# KiCad board PC110.kicad_pcb (continued)
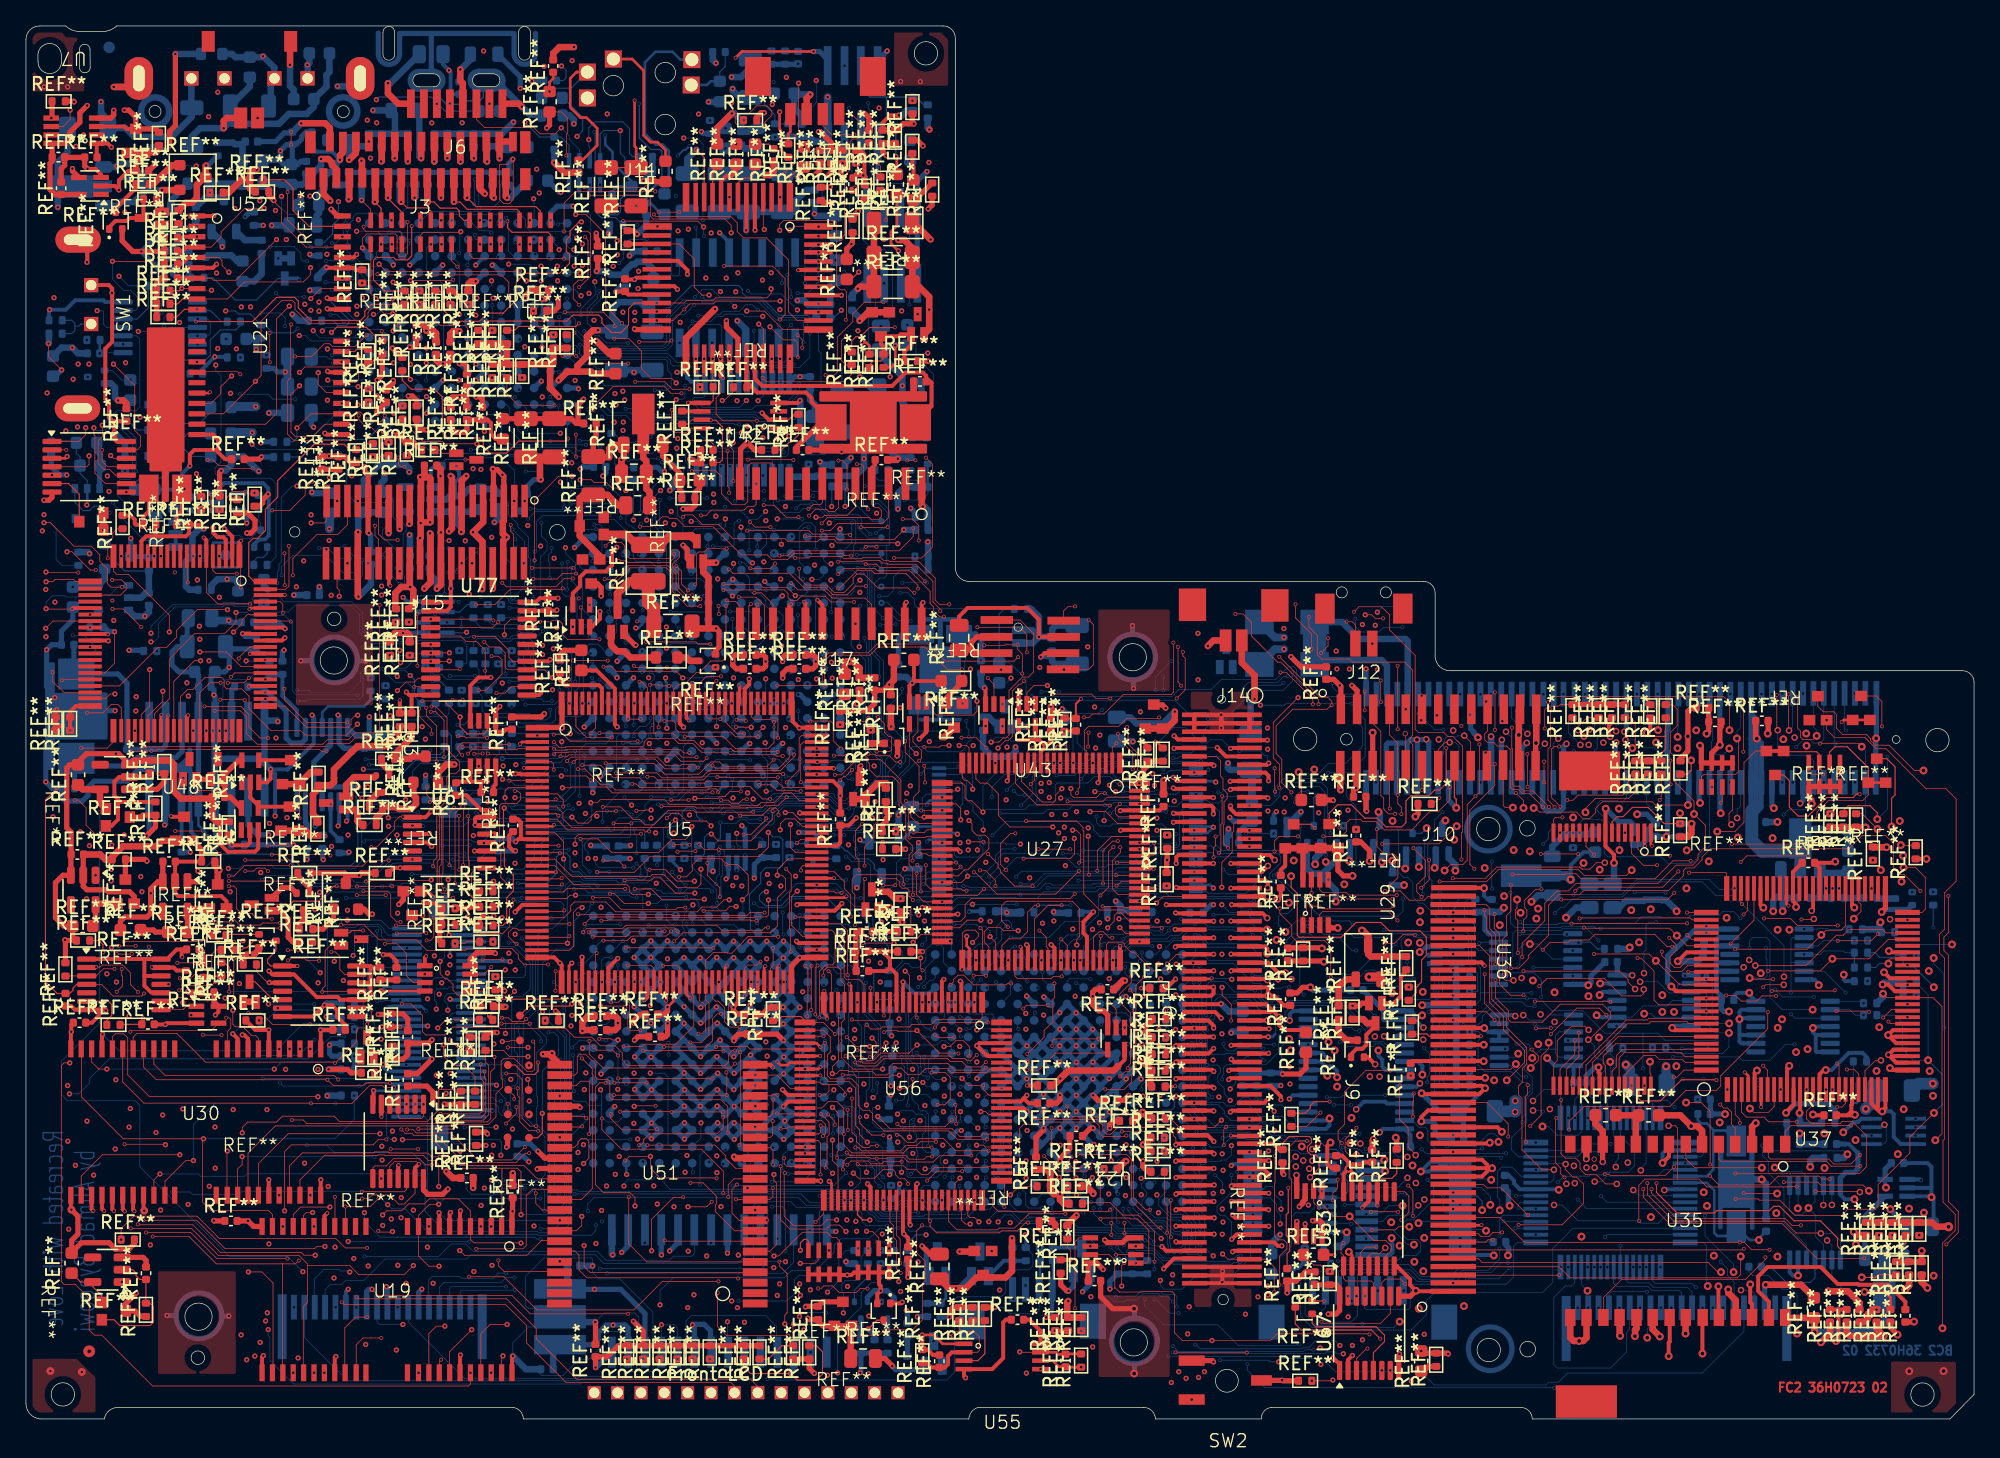
[diagram p0: board, top side]
## Routing (per net, layer and track width the routed paths; a pad name or vN(x,y) marks a point on that pad's centre or on a via; arc(x,y) is an arc through that point) (continued)
SA1: length 284
  FC2 w0.05: U51.13 54.54,18.5 54.09,18.05 v2(54.09,17.11) ; v2(67.12,22.73) 67.33,22.52 70.79,22.52 71.3,23.03 v2(71.3,23.06) ; v2(106.83,23.3) 106.83,24.49 106.89,24.55 v2(106.89,25.08) ; v2(71.51,29.41) 70.2,29.41 v2(70,29.61) ; U27.27 71.64,48.4 v1(71.77,48.53) ; v2(66.37,68.73) 66.35,68.71 v2(64.31,68.71)
  FC2 w0.2: v2(51.16,32.42) 50.86,32.72 U5.56
  FC1 w0.05: v2(69.55,32.11) 69.55,30.74 69.66,30.63 69.66,29.95 v2(70,29.61) ; v2(64.31,68.71) 63.99,69.03 63.99,71.42 61.86,73.55 61.86,80.88 61.04,81.7 v2(61.04,85.3) ; 55.6,17.21 55.6,16.47 54.77,15.64 52.2,15.64 51.62,16.22 51.62,21.24 51.37,21.49 51.37,28.48 51.48,28.59 51.48,32.1 v2(51.16,32.42) ; 55.6,17.21 55.93,17.21 56.17,17.45 56.17,19.05 57.91,20.79 59.03,20.79 59.59,21.35 60.85,21.35 61.32,20.88 63.36,20.88 63.58,20.66 64.05,20.66 64.27,20.88 64.27,22.09 64.63,22.45 66.84,22.45 v2(67.12,22.73) ; 55.6,17.21 54.52,17.21 54.42,17.11 v2(54.09,17.11) ; v5(107.06,18.18) 107.66,18.18 107.96,18.48 107.96,20.48 106.83,21.61 v2(106.83,23.3) ; v2(71.51,29.41) 71.51,25.86 71.17,25.52 71.17,23.72 71.3,23.59 v2(71.3,23.06) 71.4,23.16 72.19,23.16 72.48,22.87 73.61,22.87 73.73,22.75 73.73,20.41 v1(73.21,19.89) ; v2(109.93,32.63) 109.73,32.43 107.18,32.43 106.11,31.36 106.11,25.86 v2(106.89,25.08) ; v2(144.93,30.96) 145.33,30.56 145.33,27.94 143.95,26.56 143.95,21.88 144.18,21.65 v3(144.18,20.41) ; v1(69.58,52.2) 69.58,54.48 67.66,56.4 67.66,60.54 66.37,61.83 v2(66.37,68.73)
  IC1 w0.05: v1(73.21,19.89) 73.32,19.89 73.86,19.35 84.03,19.35 84.16,19.48 90.58,19.48 90.9,19.8 92.37,19.8 92.54,19.97 93.07,19.97 93.4,19.64 93.4,19.09 94.36,18.13 96.99,18.13 97.55,17.57 106.29,17.57 106.9,18.18 v5(107.06,18.18) 107.74,18.18 107.87,18.05 117.27,18.05 118.07,18.85 119.62,18.85 119.71,18.76 129.8,18.76 131.63,16.93 136.37,16.93 136.48,17.04 139.43,17.04 140.68,18.29 141.94,18.29 144.06,20.41 v3(144.18,20.41)
  IC2 w0.05: v1(69.58,52.2) 69.58,49.91 70.96,48.53 v1(71.77,48.53)
  IC4 w0.05: v1(71.77,48.53) 71.77,48.08 72.16,47.69 73.48,47.69 74.69,46.48 74.69,41.52 73.81,40.64 71.82,40.64 71.11,39.93 71.11,35.14 70.19,34.22 70.19,31.25 71.11,30.33 71.11,29.49 71.28,29.32 71.28,23.68 72.44,22.52 72.44,20.66 v1(73.21,19.89)
  BC1 w0.05: v11(63.4,47.04) 63.4,47.78 64.56,48.94 66.53,48.94 67.68,47.79 68.62,47.79 68.92,48.09 v11(68.92,49.71) ; v11(48.69,47.36) 48.69,48.72 v11(48.6,48.81) ; v1(69.58,52.2) 70.51,51.27 70.87,51.27 71.83,50.31 v11(71.83,50.27)
  BC2 w0.05: v11(48.69,47.36) 48.71,47.38 51.9,47.38 52.49,46.79 53.39,46.79 53.72,47.12 55.5,47.12 55.81,46.81 56.75,46.81 57.19,47.25 57.54,47.25 58.11,47.82 61.88,47.82 62.48,47.22 62.79,47.22 62.97,47.04 v11(63.4,47.04) ; v1(73.21,19.89) 73.21,20.31 73.47,20.57 73.84,20.57 ; v11(68.92,49.71) 69.36,50.15 U6.20 71.71,50.15 v11(71.83,50.27)
SA2: length 318.2
  FC2 w0.05: v2(143.46,30.62) 143.62,30.46 144.93,30.46 ; v2(122.05,32.14) 122.02,32.17 v2(116.22,32.17) ; U5.57 51.36,32.61 51.44,32.53 51.44,30.29 50.03,28.88 47.64,28.88 47.47,28.71 v2(46.03,28.71) ; U51.12 56.08,17.79 v2(55.58,17.79) ; v2(53.2,18.54) 53.17,18.58 48.85,18.58 48.1,19.32 v1(48.1,20.23) 46.47,20.23 v2(46.16,19.92) ; 109.93,31.38 112.47,31.38 v2(113.12,30.73)
  FC1 w0.05: v2(61.04,85.95) 61.04,85.8 61.31,85.53 61.31,81.79 62.07,81.03 62.07,73.79 64.17,71.69 64.17,69.25 64.62,68.8 64.62,67.73 64.37,67.48 64.37,66.65 64.96,66.06 64.96,63.29 ; v2(113.12,30.73) 113.71,30.73 113.82,30.62 115.46,30.62 116.22,31.38 v2(116.22,32.17) ; v1(73.73,45.38) 73.73,45.95 73.03,46.65 73.03,47.09 72.64,47.48 71.4,47.48 70.98,47.9 v2(70.57,47.9) 70.57,48.75 69.7,49.62 69.46,49.62 ; 64.96,63.29 64.96,63.27 ; 64.96,63.29 64.96,62.34 64.65,62.03 64.65,54.51 64.59,54.45 64.59,52.76 66.04,51.31 66.04,50.88 67.3,49.62 69.46,49.62 ; v2(122.05,32.14) 122.03,32.12 v3(122.03,27.52) ; v1(48.1,20.23) 48.1,19.06 47.93,18.89 47.93,14.31 48.81,13.43 49.76,13.43 50.21,12.98 50.21,11.85 52.97,9.09 52.97,6.86 54.72,5.11 60.73,5.11 61.74,4.1 v1(61.74,3.37) ; v2(46.03,28.71) 46.03,28.32 46.16,28.19 v2(46.16,19.92) ; v2(143.46,30.62) 143.46,31.48 144.52,32.54 145.63,32.54 145.91,32.26 145.91,27.09 146.19,26.81 v3(146.63,26.81) ; v2(53.2,18.54) 53.28,18.54 54.03,17.79 v2(55.58,17.79) ; 69.46,49.62 69.42,49.62 ; v1(69.24,24.15) 68.63,24.76 68.63,26.1 69.47,26.94 69.47,30.56 69.05,30.98 v2(69.05,32.11)
  IC1 w0.05: v1(48.1,20.23) 48.11,20.23 50.18,22.3 58.8,22.3 59.25,22.75 65.81,22.75 66.12,23.06 66.12,23.79 66.47,24.14 73.66,24.14 76.38,26.86 89.24,26.86 90.54,28.16 93.47,28.16 95.49,26.14 97.06,26.14 97.24,26.32 98.18,26.32 99.09,27.23 101.56,27.23 102.83,25.97 103.37,25.97 103.38,25.96 104.44,25.96 105.39,26.91 105.39,26.94 105.73,27.28 109.57,27.28 110.34,28.05 113.52,28.05 114.09,28.62 115.12,28.62 115.44,28.3 116.7,28.3 116.84,28.44 118.18,28.44 118.31,28.31 121.24,28.31 v3(122.03,27.52) 122.99,26.56 124.93,26.56 126.56,28.19 132.77,28.19 132.81,28.15 133.42,28.15 133.45,28.18 135.42,28.18 136.38,29.14 139.57,29.14 142.31,26.4 144.92,26.4 145.33,26.81 v3(146.63,26.81)
  IC4 w0.05: v1(73.73,45.38) 74.48,44.63 74.48,41.74 73.61,40.87 71.58,40.87 70.91,40.2 70.91,35.28 70.02,34.39 70.02,30.03 71.13,28.92 71.13,24.67 70.61,24.15 v1(69.24,24.15)
  BC1 w0.05: v11(70.77,18.65) 68.92,18.65 68.36,19.21 68.05,19.21 67.85,19.01 67.85,18.06 68,17.91 68,17.43 67.82,17.25 66.29,17.25 66.24,17.3 65.81,17.3 65.65,17.14 65.65,16.14 66.01,15.78 66.01,14.74 66.37,14.38 66.37,12.87 65.96,12.46 65.42,12.46 64.34,11.38 64.34,5.16 65.35,4.15 65.35,3.29 65.01,2.95 62.16,2.95 v1(61.74,3.37)
  BC2 w0.05: 71.3,19.27 71.3,19.28 71.3,19.28 70.77,18.75 v11(70.77,18.65) ; v1(73.73,45.38) 73.73,46.04 72.94,46.83 72.94,47.29 72.44,47.79 72.44,49.24 72.03,49.65 U6.19 ; v3(122.03,27.52) 122.03,26.05 121.3,25.32 U31.7
SA3: length 144.4
  FC2 w0.05: v2(68.29,26.2) 68.29,25.85 67.92,25.48 v1(67.27,25.48) ; U5.58 51.86,32.26 52.02,32.1 52.13,32.1 52.35,31.88 52.35,29.98 52.05,29.68 v2(51.8,29.68) ; v2(68.63,47.41) 68.64,47.4 71.65,47.4 72,47.05 v1(72,46.17) ; v2(54.69,16.92) 54.71,16.9 U51.11 57.29,16.9 57.53,17.14 v2(57.53,17.8) ; v2(68.63,30.93) 68.55,31.01 U56.11 ; v2(62.58,73.86) 62.91,73.86 63.24,73.53 v2(63.24,71.62) ; v2(63.26,19.59) 63.55,19.88 64.87,19.88 65.09,19.66 65.91,19.66 66.08,19.83 v2(67.45,19.83)
  FC1 w0.05: v2(68.29,26.2) 68.83,26.74 68.83,27.77 68.18,28.42 68.18,30.48 v2(68.63,30.93) ; v2(54.69,16.92) 54.69,16.45 54.21,15.97 52.37,15.97 51.85,16.49 51.85,21.73 51.56,22.02 51.56,28.22 51.8,28.46 v2(51.8,29.68) ; v1(68.05,21.72) 68.05,21 67.45,20.4 v2(67.45,19.83) ; v2(68.63,47.41) 68.63,48.99 68.39,49.23 67.04,49.23 66.5,48.69 65.41,48.69 63.9,50.2 63.9,51.19 64.4,51.69 64.4,54.57 64.53,54.7 64.53,58.35 63.3,59.58 63.3,66.95 63.8,67.45 63.8,71.06 v2(63.24,71.62) ; v2(61.04,87.25) 61.04,87.02 61.48,86.58 61.48,81.95 62.25,81.18 62.25,74.19 v2(62.58,73.86) ; v2(63.26,19.59) 62.87,19.59 62.65,19.37 62.65,18.46 62.58,18.39 62.58,18.35 62.03,17.8 v2(57.53,17.8)
  IC2 w0.05: v1(67.27,25.48) 67.28,25.47 69.55,25.47 69.73,25.65 73.57,25.65 74.91,26.99 74.91,38.68 71.31,42.28 71.31,45.45 72,46.14 v1(72,46.17)
  BC1 w0.05: v1(68.05,21.72) 73.48,21.72 v11(73.84,21.36) ; v1(67.27,25.48) 67.28,25.47 68.74,25.47 68.96,25.25 68.96,24.88 68.35,24.27 v11(68.35,23.07)
  BC2 w0.05: v11(73.84,21.36) 73.84,21.84 ; U6.18 71.94,49.15 72.15,48.94 72.15,48.9 72.16,48.89 72.16,47.4 72.01,47.25 72.01,47.17 72,47.16 v1(72,46.17) ; v11(68.35,23.07) 68.15,23.07 68.05,22.97 v1(68.05,21.72)
SA4: length 176.8
  FC2 w0.05: v2(51.17,29.01) 52.03,29.01 52.61,29.59 52.61,32.04 52.36,32.29 U5.59 52.36,35.35 52.95,35.94 54.02,35.94 54.05,35.9 54.37,35.9 55.28,36.81 55.28,36.84 55.62,37.19 57.92,37.19 v2(57.94,37.16) ; v2(64,73.58) 64.34,73.58 64.5,73.42 64.5,70.48 v2(64.88,70.1) ; U56.12 68.05,34.18 v1(67.72,34.51) ; v2(68.96,46.89) 68.97,46.9 v2(70.57,46.9) ; v2(65.52,51.43) 66.53,51.43 66.66,51.56 66.66,52.53 66.58,52.61 66.43,52.61 66.13,52.91 66.13,53.57 v2(65.61,54.09) ; v2(62.63,36.78) 62.63,35.71 v2(62.64,35.7)
  FC1 w0.05: v2(65.52,51.43) 65.52,51.06 67.13,49.45 68.52,49.45 68.96,49.01 v2(68.96,46.89) ; v2(51.17,29.01) 51.17,20.9 51.43,20.64 51.43,15.92 52.01,15.34 56.29,15.34 ; v2(56.17,16.1) 56.31,15.96 56.31,15.36 56.29,15.34 ; 56.29,15.34 56.29,13.37 55.55,12.63 v1(54.87,12.63) ; v2(64,73.58) 64,74.93 62.46,76.47 62.46,81.27 61.67,82.06 61.67,87.8 61.57,87.9 v2(61.04,87.9) ; v2(57.94,37.16) 58.18,37.16 58.26,37.24 62.17,37.24 v2(62.63,36.78) ; v2(64.88,70.1) 64.88,69.68 65.23,69.33 65.23,66.68 65.33,66.58 65.33,61.82 65.02,61.51 65.02,54.68 v2(65.61,54.09) ; v2(70.57,46.9) 71.68,46.9 71.85,46.73 v1(72.46,46.73) ; v2(62.64,35.7) 65.57,35.7 65.66,35.61 66.62,35.61 v1(67.72,34.51)
  IC2 w0.05: v1(72.46,46.73) 71.66,46.73 71.11,46.18 71.11,45.17 71.12,45.16 71.12,41.64 72.76,40 73.16,40 74.69,38.47 74.69,29.03 73.76,28.1 68,28.1 67.69,28.41 67.69,29.93 68.03,30.27 68.03,30.28 68.43,30.68 68.43,33.8 v1(67.72,34.51)
  BC1 w0.05: v11(54.88,9.09) 54.87,9.1 v1(54.87,12.63) ; v1(72.46,46.73) 71.74,47.45 v11(71.31,47.45) ; v11(67.22,14.71) 67.97,15.46 68.87,15.46 69.79,16.38 73.9,16.38 74.43,16.91 74.43,18.61 74.74,18.92 75.94,18.92 76.13,19.11 76.13,21.26 v11(75.75,21.64)
  BC2 w0.05: v11(71.31,47.45) 71.31,48.45 71.11,48.65 U6.17 ; v11(75.75,21.64) 75.8,21.69 75.8,23.69 75.11,24.38 ; v11(54.88,9.09) 58.61,9.09 59.18,9.66 59.18,10.71 59.53,11.06 60.45,11.06 62.25,12.86 62.25,13.39 62.74,13.88 64.93,13.88 65.71,14.66 66.14,14.66 66.21,14.59 66.76,14.59 66.88,14.71 v11(67.22,14.71)
SA5: length 348.6
  FC2 w0.05: v1(59.51,102.94) 59.5,102.93 59.5,99.14 59.24,98.88 59.24,96.82 v2(58.41,95.99) ; v1(69.19,46.38) 68.78,46.38 68.36,46.8 68.36,47.91 68.79,48.34 68.79,50.3 67.72,51.37 v2(67.72,52.23) ; v2(54.95,21.1) 55.02,21.17 v2(55.02,28.27) ; v2(54.98,30.2) 54.23,30.2 53.81,30.62 53.81,31.71 53.32,32.2 53.11,32.2 52.86,32.45 U5.60 ; U56.15 66.55,30.91 66.33,30.69 63.7,30.69 v2(63.61,30.78) ; v2(64.68,67.21) 65.5,67.21 v2(65.51,67.2) ; v2(57.09,15.32) 56.19,15.32 U51.9 54.94,15.3 54.38,15.86 54.38,17.68 v2(54.76,18.06)
  FC2 w0.3: v2(59.48,88.53) 59.5,88.55 v2(61.04,88.55) ; v1(69.19,46.38) 69.21,46.4 U27.31
  FC1 w0.05: v2(54.95,21.1) 54.95,18.25 v2(54.76,18.06) ; v2(61.04,88.55) 61.68,88.55 61.84,88.39 61.84,82.19 62.63,81.4 62.63,77.03 65.04,74.62 65.04,71.44 64.35,70.75 64.35,69.48 64.81,69.02 64.81,67.6 64.68,67.47 v2(64.68,67.21) ; v2(65.51,67.2) 65.51,61.69 65.19,61.37 65.19,55.04 66.04,54.19 66.04,53 66.38,52.66 67.29,52.66 v2(67.72,52.23) ; v2(58.41,95.99) 58.41,94.75 59.48,93.68 v2(59.48,88.53) ; v1(57.6,11.66) 58.67,11.66 59.05,12.04 59.05,13.36 v2(57.09,15.32) ; v2(63.61,30.78) 62.32,32.07 60.54,32.07 60.16,31.69 60.16,31.57 59.82,31.23 59.02,31.23 58.67,30.88 55.02,30.88 54.77,30.63 54.77,30.41 v2(54.98,30.2) 54.98,29.9 55.34,29.54 55.34,28.59 v2(55.02,28.27)
  IC1 w0.05: v1(6.87,20.8) 6.87,15.11 10.05,11.93 20.06,11.93 22.53,14.4 27.54,14.4 28.2,13.74 36.63,13.74 37.64,12.73 43.76,12.73 44.84,13.81 49.62,13.81 50.87,12.56 51.5,12.56 52.2,13.26 55.48,13.26 57.08,11.66 v1(57.6,11.66)
  IC3 w0.05: v1(14.77,102.24) 14.83,102.3 20.72,102.3 24.8,98.22 43.84,98.22 47.44,101.82 52.11,101.82 52.38,102.09 58.66,102.09 v1(59.51,102.94)
  BC1 w0.05: v11(63.59,20.28) 63.71,20.16 64.59,20.16 64.75,20.32 64.75,20.77 64.36,21.16 64.36,21.66 v11(64.86,22.16) ; v11(62.03,20.33) 61.18,19.48 61.18,18.94 60.23,17.99 60.23,15.73 60.85,15.11 60.85,9.59 60.31,9.05 59,9.05 58.52,9.53 58.52,10.75 58.33,10.94 58.32,10.94 v1(57.6,11.66) ; v1(14.77,102.24) 14.78,102.23 14.78,98.74 10.85,94.81 10.85,94.55 10.56,94.26 10.32,94.26 5.94,89.88 5.94,82.65 6.17,82.42 6.17,81.28 6.31,81.14 6.31,75.87 5.48,75.04 4.46,75.04 3.59,74.17 3.59,73.7 3.05,73.16 2.93,73.16 2.69,72.92 2.69,72.79 2.41,72.51 2.41,63.76 4.01,62.16 4.01,47.31 1.71,45.01 1.71,23.97 4.88,20.8 v1(6.87,20.8)
  BC2 w0.05: v11(62.03,20.33) 63.54,20.33 v11(63.59,20.28) ; v11(64.86,22.16) 66.82,22.16 67.09,21.89 67.13,21.89 67.18,21.84 67.42,21.84 67.63,21.63 67.63,21.03 67.86,20.8 67.86,18.72 67.97,18.61 70.18,18.61 70.65,19.08 70.65,19.52 70.42,19.75 70.42,20.12 70.85,20.55 71.3,20.55 ; U6.16 69.35,48.15 69.07,47.87 69.07,47.03 69.19,46.91 v1(69.19,46.38)
SA6: length 150.2
  FC2 w0.05: v2(66.1,29.81) 66.21,29.81 66.32,29.92 67.09,29.92 67.13,29.88 68.58,29.88 v1(68.63,29.93) 70.37,28.19 71.79,28.19 v2(71.82,28.16) ; v2(51.18,18.2) 52.15,18.2 53.2,17.16 53.2,16.58 53.1,16.49 53.1,15.98 54.58,14.5 U51.8 ; U56.16 66.08,32.08 v2(66.08,31.09) ; v2(67.77,47.62) 68.16,47.23 68.16,46.4 68.66,45.9 U27.32 ; v2(64.89,54.02) 64.61,53.74 v2(63.35,53.74) ; v2(71.59,24.21) 71.59,23.4 71.66,23.33 v2(71.66,22.75)
  FC1 w0.05: v2(63.35,53.74) 63.35,53.28 63.16,53.09 63.16,51.59 63.68,51.07 63.68,50.6 63.38,50.3 63.38,49.88 64.85,48.41 64.85,48.18 65.4,47.63 v1(65.4,47.58) 65.44,47.62 v2(67.77,47.62) ; v2(71.82,28.16) 71.82,27.38 71.73,27.29 71.73,25.73 71.36,25.36 71.36,24.44 v2(71.59,24.21) ; v2(64.89,54.02) 64.82,54.09 64.82,59.84 ; v2(61.04,89.2) 61.86,89.2 62.04,89.02 62.04,82.32 62.82,81.54 62.82,77.44 65.32,74.94 65.32,71.24 64.5,70.42 64.5,69.68 65.03,69.15 65.03,67.39 65.05,67.37 65.05,67.05 65.03,67.03 65.03,66.47 65.18,66.32 65.18,62.06 64.82,61.7 64.82,59.84 ; v2(66.1,29.81) 66.1,31.07 v2(66.08,31.09) ; 64.82,59.81 64.82,59.84 ; v2(71.66,22.75) 71.66,21.81 71.82,21.65 v1(71.82,21.09) ; v2(53.36,33.67) 53.85,33.18 55.31,33.18 55.35,33.23 55.67,33.23 55.97,32.92 v1(59.83,32.92) ; v1(50.91,20.3) 50.91,19.77 51.24,19.44 51.24,18.74 51.16,18.66 51.16,18.22 v2(51.18,18.2)
  IC1 w0.05: 50.91,20.37 v1(50.91,20.3) 51.41,20.8 62.04,20.8 62.54,21.3 62.54,21.93 63.07,22.46 67.52,22.46 68.53,23.47 69.44,23.47 v1(71.82,21.09) ; v1(68.63,29.93) 68.63,31.33 66.99,32.97 59.88,32.97 v1(59.83,32.92)
  IC4 w0.05: v1(68.63,29.93) 68.63,30.94 68.49,31.08 68.49,31.09 68.15,31.43 68.15,35.72 67.61,36.26 67.61,36.83 67.32,37.12 65.77,37.12 65.36,37.53 65.36,42.13 64.98,42.51 64.98,44.7 64.48,45.2 64.07,45.2 63.46,45.81 63.46,46.94 64.1,47.58 v1(65.4,47.58)
  BC1 w0.05: v1(65.4,47.58) 65.77,47.58 66.09,47.9 67.21,47.9 67.58,47.53 68.66,47.53 68.89,47.3 v11(69.39,47.3)
  BC2 w0.05: 72.57,21.81 72.58,21.82 U25.E3 72.55,21.82 v1(71.82,21.09)
  BC2 w0.2: U6.15 69.59,47.65 69.39,47.45 v11(69.39,47.3)
SA7: length 191.6
  FC2 w0.05: v2(64.36,6.42) 65.66,6.42 66.11,6.87 68.29,6.87 69.04,7.62 69.04,10.45 69.25,10.66 69.25,12.16 68.61,12.8 68.61,14.5 v2(69.03,14.92) ; U51.7 49.26,13.7 v2(49.2,13.76) ; v2(69.42,18.37) 70.14,19.09 v2(72.12,19.09) ; v2(71.99,42.56) 71.78,42.35 U27.39 ; v2(53.55,31.22) 53.25,31.22 52.88,30.85 52.88,29.55 52.89,29.53 52.89,29.15 52.41,28.67 v2(49.14,28.67) ; v2(53.27,9.72) 53.27,7.12 53.97,6.42 v2(58.71,6.42) ; v2(68.77,67.7) 68.77,68.85 68.27,69.35 v2(67.54,69.35)
  FC2 w0.2: v2(53.98,34.94) 53.86,34.82 U5.62
  FC1 w0.05: v2(67.54,69.35) 67.54,70.61 68.18,71.25 68.18,74.81 65.94,77.05 63.79,77.05 63,77.84 63,81.59 62.25,82.34 62.25,89.73 62.08,89.9 v2(61.04,89.9) ; v2(68.77,67.7) 68.77,66.17 68.1,65.5 68.1,63.37 68.26,63.21 68.26,62.68 68.28,62.68 70.09,60.87 71,60.87 71.45,60.42 71.45,57.01 72.82,55.64 72.82,54.63 72.52,54.33 72.52,50.85 74.79,48.58 74.79,42.88 73.35,41.44 72.29,41.44 71.99,41.74 v2(71.99,42.56) 71.99,43.01 71.53,43.47 71.53,43.99 v1(71.94,44.4) ; v2(49.14,28.67) 49.14,24.87 48.87,24.6 48.87,23.08 49.2,22.75 v2(49.2,13.76) 50.01,13.76 50.52,13.25 50.52,12.12 52.92,9.72 v2(53.27,9.72) ; v2(69.03,14.92) 69.7,14.92 69.94,15.16 69.94,15.33 69.73,15.54 69.38,15.54 68.7,16.22 68.7,17.21 69.42,17.93 v2(69.42,18.37) ; v2(72.12,19.09) 72.13,19.1 72.13,19.44 72.39,19.7 72.39,19.96 72.28,20.07 72.28,21.6 72.26,21.62 72.26,21.67 72.05,21.88 v1(72.05,22.23) ; v2(53.55,31.22) 53.74,31.41 53.74,31.82 52.96,32.6 52.96,34.22 53.68,34.94 v2(53.98,34.94) 55.03,34.94 56.13,33.84 56.13,33.51 56.32,33.32 56.9,33.32 57.9,34.32 58.49,34.32 58.87,33.94 60.71,33.94 60.98,33.67 62.64,33.67 63.15,33.16 64.13,33.16 65.18,32.11 v2(65.55,32.11) ; v2(64.36,6.42) v2(58.71,6.42)
  IC4 w0.05: v1(72.05,22.23) 70.75,22.23 69.44,23.54 68.98,23.54 68.78,23.74 68.78,24.74 69.6,25.56 69.6,34.79 70.03,35.22 70.03,36.22 68.11,38.14 68.11,39.78 70.03,41.7 70.03,43.63 70.8,44.4 v1(71.94,44.4)
  BC1 w0.05: v11(71.3,47.06) 71.3,44.59 71.49,44.4 v1(71.94,44.4)
  BC2 w0.2: v11(71.3,47.06) 71.21,47.15 U6.14
  BC2 w0.3: 71.3,21.82 71.72,22.23 v1(72.05,22.23)
SA8: length 145.9
  FC2 w0.05: v2(65.05,33.23) U56.18 ; v2(68.51,73.88) 68.5,73.87 v2(67.88,73.87) ; U5.63 54.36,32.23 54.1,31.97 54.1,30.93 54.5,30.53 v2(55.31,30.53) ; U27.40 71.82,41.85 72.29,42.32 72.54,42.32 74.17,43.95 74.17,44.71 74.16,44.71 73.88,44.99 73.22,44.99 72.87,45.34 72.87,45.88 v1(72.63,46.12) ; v2(69.25,49.05) 69.24,49.06 69.24,49.68 69.19,49.73 v2(69.19,50.33) ; v1(57.61,18.84) 57.61,18.38 57.82,18.17 57.82,13.45 57.27,12.9 U51.6
  FC1 w0.05: v2(55.31,30.53) 55.31,30.27 56.52,29.06 v1(56.99,29.06) ; v2(69.19,50.33) 69.19,51.31 68.81,51.69 68.37,51.69 68.16,51.9 68.16,52.32 67.61,52.87 66.48,52.87 66.24,53.11 66.24,54.37 65.4,55.21 65.4,61.15 65.73,61.48 65.73,66.72 65.9,66.89 65.9,71.21 67.88,73.19 v2(67.88,73.87) ; v2(61.04,90.5) 62.04,90.5 62.43,90.11 62.43,87.59 63.16,86.86 63.16,86.48 62.44,85.76 62.44,82.47 63.21,81.7 63.21,78.53 64.14,77.6 66.34,77.6 68.51,75.43 v2(68.51,73.88) ; v1(72.63,46.12) 72.22,45.71 71.79,45.71 71.17,46.33 70.35,46.33 69.25,47.43 v2(69.25,49.05) ; v2(65.05,33.23) 68.12,33.23 68.82,33.93 68.82,33.99 v1(68.83,34)
  IC1 w0.05: v1(56.99,29.06) 56.99,31.88 58.59,33.48 60.31,33.48 60.56,33.23 68.06,33.23 v1(68.83,34)
  IC4 w0.05: v1(68.83,34) 69.39,34.56 69.39,36.39 67.96,37.82 67.96,40.09 69.82,41.95 69.82,44.74 70.63,45.55 72.4,45.55 72.63,45.78 v1(72.63,46.12) ; v1(57.61,18.84) 57.61,19.2 57.54,19.27 57.55,19.28 57.55,24.35 57.63,24.43 57.63,28.42 v1(56.99,29.06)
  BC1 w0.05: v1(68.83,34) 68.44,33.61 68.44,32.62 68.81,32.25 68.81,31.34 68.13,30.66 68.13,28.69 v11(68.6,28.22) ; v11(69.46,26.29) 69.65,26.1 69.65,24.84 70.07,24.42 v11(70.07,23.7) ; v11(73.49,44.78) 73.12,44.78 72.63,45.27 v1(72.63,46.12)
  BC2 w0.05: v11(73.49,44.78) 73.49,44.21 73.71,43.99 73.71,43.66 73.35,43.3 71.67,43.3 71.51,43.46 71.51,43.87 71.23,44.15 U6.8 ; v11(68.6,28.22) 68.89,27.93 68.89,27.19 68.95,27.13 68.95,26.57 69.08,26.44 69.28,26.44 69.43,26.29 v11(69.46,26.29) ; v11(70.07,23.7) 70.07,23.13 U25.F1
SA9: length 123.1
  FC2 w0.05: v2(56.58,35.24) 56.32,34.98 55.6,34.98 55.36,34.74 U5.65 ; v2(67.59,41.2) 67.59,41.68 67.33,41.94 63.97,41.94 63.64,41.61 63.64,40.62 63.84,40.42 v2(63.84,38.07) ; U56.19 64.55,33.48 64.16,33.87 63.21,33.87 63.02,34.06 63.02,37.39 v2(62.94,37.47) ; v2(70.57,41.35) 72.06,41.35 v1(72.53,41.82)
  FC1 w0.05: v2(67.59,41.2) 68.23,41.2 68.38,41.35 v2(70.57,41.35) ; v2(61.04,91.15) 61.75,91.15 62.63,90.27 62.63,87.79 63.36,87.06 63.36,85.53 62.85,85.02 62.85,82.44 63.45,81.84 63.45,79.01 64.29,78.17 64.73,78.17 ; 64.73,78.17 64.8,78.17 ; 64.73,78.17 66.95,78.17 68.78,76.34 68.78,70.93 68.47,70.62 68.47,69.82 68.01,69.36 68.01,66.12 67.13,65.24 67.13,62.56 69.23,60.46 70.57,60.46 71.1,59.93 71.1,55.94 71.48,55.56 71.48,54.74 71.77,54.45 72.04,54.45 72.34,54.15 72.34,50.63 74.62,48.35 74.62,43.07 73.37,41.82 v1(72.53,41.82) ; v2(56.58,35.24) 56.58,36.97 57.12,37.51 62.9,37.51 v2(62.94,37.47) 63.24,37.47 v2(63.84,38.07)
  BC1 w0.05: v11(75.56,24.95) 75.53,24.98 75.53,37.36 75.85,37.68 75.85,38.39 76.18,38.72 76.18,39.39 75.98,39.59 75.98,41.95 76.41,42.38 76.41,43.75 76.23,43.93 v11(76.16,43.93)
  BC2 w0.05: v11(75.56,24.95) 75.55,24.96 73.98,24.96 73.84,24.82 73.84,24.38 ; U6.7 71.11,43.65 71.29,43.47 71.29,43.28 72.53,42.04 v1(72.53,41.82) 73.63,41.82 74.68,42.87 74.68,43.41 75.2,43.93 v11(76.16,43.93)
SA10: length 113.4
  FC2 w0.05: v2(62.93,19.23) 62.93,19.81 63.28,20.16 64.97,20.16 65.07,20.06 v2(65.53,20.06) 66.25,20.06 66.36,20.17 67.59,20.17 67.96,19.8 69.88,19.8 70.39,20.31 v2(72.81,20.31) ; v2(54.86,10.83) 54.81,10.88 43.2,10.88 42.6,11.48 42.6,12.62 42.27,12.95 41.12,12.95 ; v2(65.54,21.05) 65.08,21.05 64.94,20.91 64.43,20.91 63.97,21.37 63.97,21.74 63.62,22.09 v2(63.62,24.69)
  FC1 w0.05: v2(63.62,24.69) 63.91,24.98 63.91,24.99 64.01,25.09 64.01,26.59 64.61,27.19 64.61,29.73 64.73,29.85 65,29.85 65.2,30.05 65.2,30.96 v2(64.05,32.11) 63.68,32.11 62.3,33.49 60.84,33.49 60.59,33.74 58.87,33.74 58.52,34.09 58.06,34.09 57.13,33.16 56.15,33.16 55.86,33.45 v2(55.86,33.67) ; v2(62.93,19.23) 62.93,18.06 61.17,16.3 61.17,12.09 60.03,10.95 54.98,10.95 v2(54.86,10.83) ; v2(65.53,20.06) 65.54,20.07 v2(65.54,21.05) ; v2(72.81,20.31) 72.81,21.91 v1(73.32,22.42)
  IC4 w0.05: v1(73.32,22.42) 73.32,22.47 72.82,22.97 72.82,26.76 72.52,27.06 72.52,31.36 75.72,34.56 76.41,34.56 77.71,35.86 77.71,39.13 78.47,39.89 78.47,46.92 78.77,47.22 79.07,47.22 v1(79.7,47.85)
  BC1 w0.05: v11(87.11,47.74) 86.61,47.24 86.61,45.04 88.41,43.24 89.54,43.24 v11(90.13,42.65)
  BC2 w0.05: 72.57,23.11 73.26,22.42 v1(73.32,22.42) ; v11(87.11,47.74) 86.38,47.74 86.33,47.69 80.63,47.69 80.47,47.85 v1(79.7,47.85)
SA11: length 120
  FC2 w0.05: v1(33.41,12.98) 33.79,12.6 38.57,12.6 39.72,13.75 41.12,13.75
  FC2 w0.2: U56.21 63.55,33.38 v2(63.41,33.52)
  FC1 w0.05: 62.75,34.18 62.75,34.42 63.05,34.72 64.96,34.72 65.38,35.14 v1(65.81,35.14) ; 62.75,34.18 62.75,33.86 63.09,33.52 v2(63.41,33.52) ; 62.75,34.18 61.92,34.18 61.62,33.88 61.07,33.88 60.83,34.12 59.05,34.12 58.69,34.48 57.17,34.48 v2(56.36,33.67)
  IC1 w0.05: v1(65.81,35.14) 65.81,34.67 64.99,33.85 35.26,33.85 34.11,35 v1(32.65,35)
  IC4 w0.05: v1(32.65,35) 33.35,35 33.78,34.57 33.78,17.65 34.46,16.97 34.46,14.03 v1(33.41,12.98)
  BC1 w0.05: v11(70.71,24.31) 70.51,24.31 69.97,24.85 69.97,26.31 69.57,26.71 69.57,27.02 69.23,27.36 65.96,27.36 65.62,27.7 65.62,28.39 65.82,28.59 65.82,29.26 66.23,29.67 66.23,34.72 v1(65.81,35.14) 65.08,35.87 65.08,39.13 65.24,39.29 65.24,41.19 65.45,41.4 66.68,41.4 67.17,41.89 68.03,41.89 68.29,42.15 69.81,42.15 70.33,42.67 v11(70.33,43.15) 70.37,43.19 70.37,48.22 72.3,50.15 72.3,52.24 v11(72.62,52.56)
  BC2 w0.05: v11(70.71,24.31) 70.76,24.36 71.3,24.36 71.3,24.36 71.3,24.35 ; v11(72.62,52.56) 72.62,53.11 72.43,53.3 v11(72.43,53.8)
SA12: length 121.7
  FC2 w0.05: v2(79.04,28.74) 79.04,29.12 79.21,29.29 v2(82.61,29.29) ; v1(42.81,15.61) 42.81,14.91 42.4,14.5 U51.41 ; v1(65.99,26.96) 63.69,26.96 62.8,27.85 62.8,30.55 63.05,30.8 63.05,33.49 62.77,33.77 62.77,34.62 62.57,34.82 61.72,34.82 61.42,34.52 v2(61.42,34.17) ; v2(56.27,38.39) 55.87,38.39 55.81,38.45 44.81,38.45 44.76,38.4 v2(44.32,38.4) ; v2(40.8,34.5) 40.78,34.48 v2(40.78,33) ; v2(78.99,21.18) 79,21.19 v2(79,22.41)
  FC2 w0.2: v2(56.94,34.9) 56.86,34.82 U5.68
  FC1 w0.05: v2(79.04,28.74) 79.04,23.58 78.99,23.53 78.99,22.42 v2(79,22.41) ; v2(40.78,33) 40.78,32.23 40.96,32.05 41.51,32.05 41.87,32.41 42.31,32.41 v1(42.71,32.01) ; v2(61.42,34.17) 61.12,34.17 61.01,34.28 59.28,34.28 58.93,34.63 57.21,34.63 v2(56.94,34.9) 56.47,34.9 56.22,35.15 56.22,38.34 v2(56.27,38.39) ; v2(44.32,38.4) 44.32,38.03 44.14,37.85 44.14,36.45 44.27,36.32 44.27,35.32 43.45,34.5 v2(40.8,34.5) ; v2(78.99,21.18) 75.8,21.18 73.85,23.13 72.89,23.13 72.58,23.44 72.58,24.38 v1(71.94,25.02) ; v2(82.61,29.29) 83.75,29.29 v2(84.62,30.16)
  IC3 w0.05: v1(71.94,25.02) 71.28,25.02 69.75,26.55 67.98,26.55 67.6,26.93 66.02,26.93 v1(65.99,26.96)
  IC4 w0.05: v1(42.71,32.01) 42.35,32.37 42.32,32.37 42.24,32.45 41.68,32.45 41.52,32.29 41.52,30.91 41.24,30.63 41.24,28.71 41.5,28.45 41.5,16.25 42.14,15.61 v1(42.81,15.61)
  BC1 w0.05: v11(71.32,41.95) 68.72,41.95 67.54,40.77 67.54,39.16 67.04,38.66 67.04,38.01 67.52,37.53 67.52,36.22 67.71,36.03 67.71,35.39 68.22,34.88 68.22,33.23 67.28,32.29 67.05,32.29 66.66,31.9 66.66,30.66 67.66,29.66 67.66,28.47 67.06,27.87 v11(66.12,27.87)
  BC2 w0.05: v1(71.94,25.02) 71.94,25.01 72.57,24.38 ; U6.5 71.18,42.65 71.32,42.51 v11(71.32,41.95) ; v1(65.99,26.96) 65.99,27.28 66.1,27.39 66.1,27.85 v11(66.12,27.87)
SA13: length 61.9
  FC2 w0.05: U5.69 57.36,34.75 57.55,34.94 v2(57.55,36.3) ; v2(67.65,37.03) 67.25,37.03 67.23,37.05 65.25,37.05 65.22,37.02 v2(64.8,37.02) ; v2(75.88,33.56) 75.61,33.56 75.5,33.45 72.99,33.45 72.24,34.2 71.78,34.2 71.44,33.86 71.44,33.69 v2(71.21,33.46) ; v2(83.41,32.13) 83.97,31.57 REF**#263.2
  FC1 w0.05: v2(83.41,32.13) 79.53,32.13 78.1,33.56 v2(75.88,33.56) ; v2(64.8,37.02) 64.8,36.46 64.54,36.2 63.02,36.2 62.75,36.47 60.27,36.47 60.1,36.3 v2(57.55,36.3) ; v1(68.76,38.84) 67.65,37.73 v2(67.65,37.03) 67.65,35.71 68.27,35.09 69.34,35.09 69.94,34.49 69.94,34.14 70.62,33.46 v2(71.21,33.46)
  BC1 w0.05: v1(68.76,38.84) 68.33,39.27 68.33,40.99 68.57,41.23 v11(69.12,41.23) ; v11(71.35,25.79) 71.35,27.17 69.74,28.78 69.74,29.6 69.38,29.96 69.38,30.32 69.48,30.42 69.48,34.32 68.94,34.86 68.56,34.86 67.92,35.5 67.92,36.11 67.7,36.33 67.7,37.79 67.94,38.03 v11(67.94,38.84)
  BC2 w0.05: U6.4 69.48,42.15 69.13,41.8 68.26,41.8 68.14,41.92 67.75,41.92 67.54,41.71 67.54,41.43 67.74,41.23 v11(69.12,41.23) ; 71.3,25.65 71.35,25.7 v11(71.35,25.79) ; v11(67.94,38.84) v1(68.76,38.84)
SA14: length 44.9
  FC2 w0.05: U56.24 62.05,34.27 v2(61.82,34.5)
  FC2 w0.2: v2(58.01,34.92) 57.86,34.77 U5.70
  FC1 w0.05: v1(65.89,38.28) 65.14,37.53 65.14,36.46 64.7,36.02 62.22,36.02 61.82,35.62 v2(61.82,34.5) 61.8,34.52 59.44,34.52 59.04,34.92 v2(58.01,34.92)
  BC1 w0.05: v1(65.89,38.28) 65.62,38.55 65.62,38.9 65.91,39.19 65.91,40.14 66.7,40.93 67.2,40.93 ; v11(73.11,31.32) 73.11,31.4 72.75,31.76 70.85,31.76 70.23,32.38 70.23,36.03 70.19,36.07 v11(70.19,36.59) ; 67.2,40.93 67.2,41.24 67.51,41.55 v11(67.85,41.55) ; 67.2,40.93 v11(67.2,40.25) ; v11(74.48,25.3) 74.48,25.85 74.63,26 74.63,30.43 74.53,30.53 v11(74.53,30.79)
  BC2 w0.05: v11(74.53,30.79) 74.53,31.11 74.44,31.2 73.23,31.2 v11(73.11,31.32) ; v11(67.85,41.55) 67.91,41.61 69.42,41.61 69.46,41.65 U6.3 ; 73.84,25.65 74.13,25.65 v11(74.48,25.3) ; v11(67.2,40.25) 69.74,40.25 70.19,39.8 v11(70.19,36.59)
SA15: length 44.8
  FC2 w0.05: U56.25 61.49,32.15 v2(61.49,32.99) ; v2(73.23,28.05) 72.82,27.64 72.46,27.64 72.32,27.79 71.36,27.79 71.18,27.97 65.98,27.97 65.43,27.42 64.47,27.42 v2(64.27,27.62)
  FC2 w0.2: U56.25 61.47,32.09 61.47,31.25 61.7,31.02 v2(61.7,30.85)
  FC1 w0.05: 64.38,28.15 64.4,28.17 ; 64.38,28.15 64.47,28.24 64.47,28.58 64.22,28.84 63.67,28.84 63.47,29.05 63.07,29.05 62.99,29.12 62.25,29.12 61.88,29.49 61.88,29.65 61.7,29.83 v2(61.7,30.85) ; 64.38,28.15 64.26,28.03 64.26,27.63 v2(64.27,27.62) ; v2(73.23,28.05) 73.86,28.68 73.86,29.36 v1(73.24,29.98) ; v2(61.49,32.99) 60.75,32.99 60.25,33.49 58.54,33.49 v2(58.36,33.67)